# Altium PCB SVPX_FMC_6U_SOM.PcbDoc (part 3 of 9) (continued)
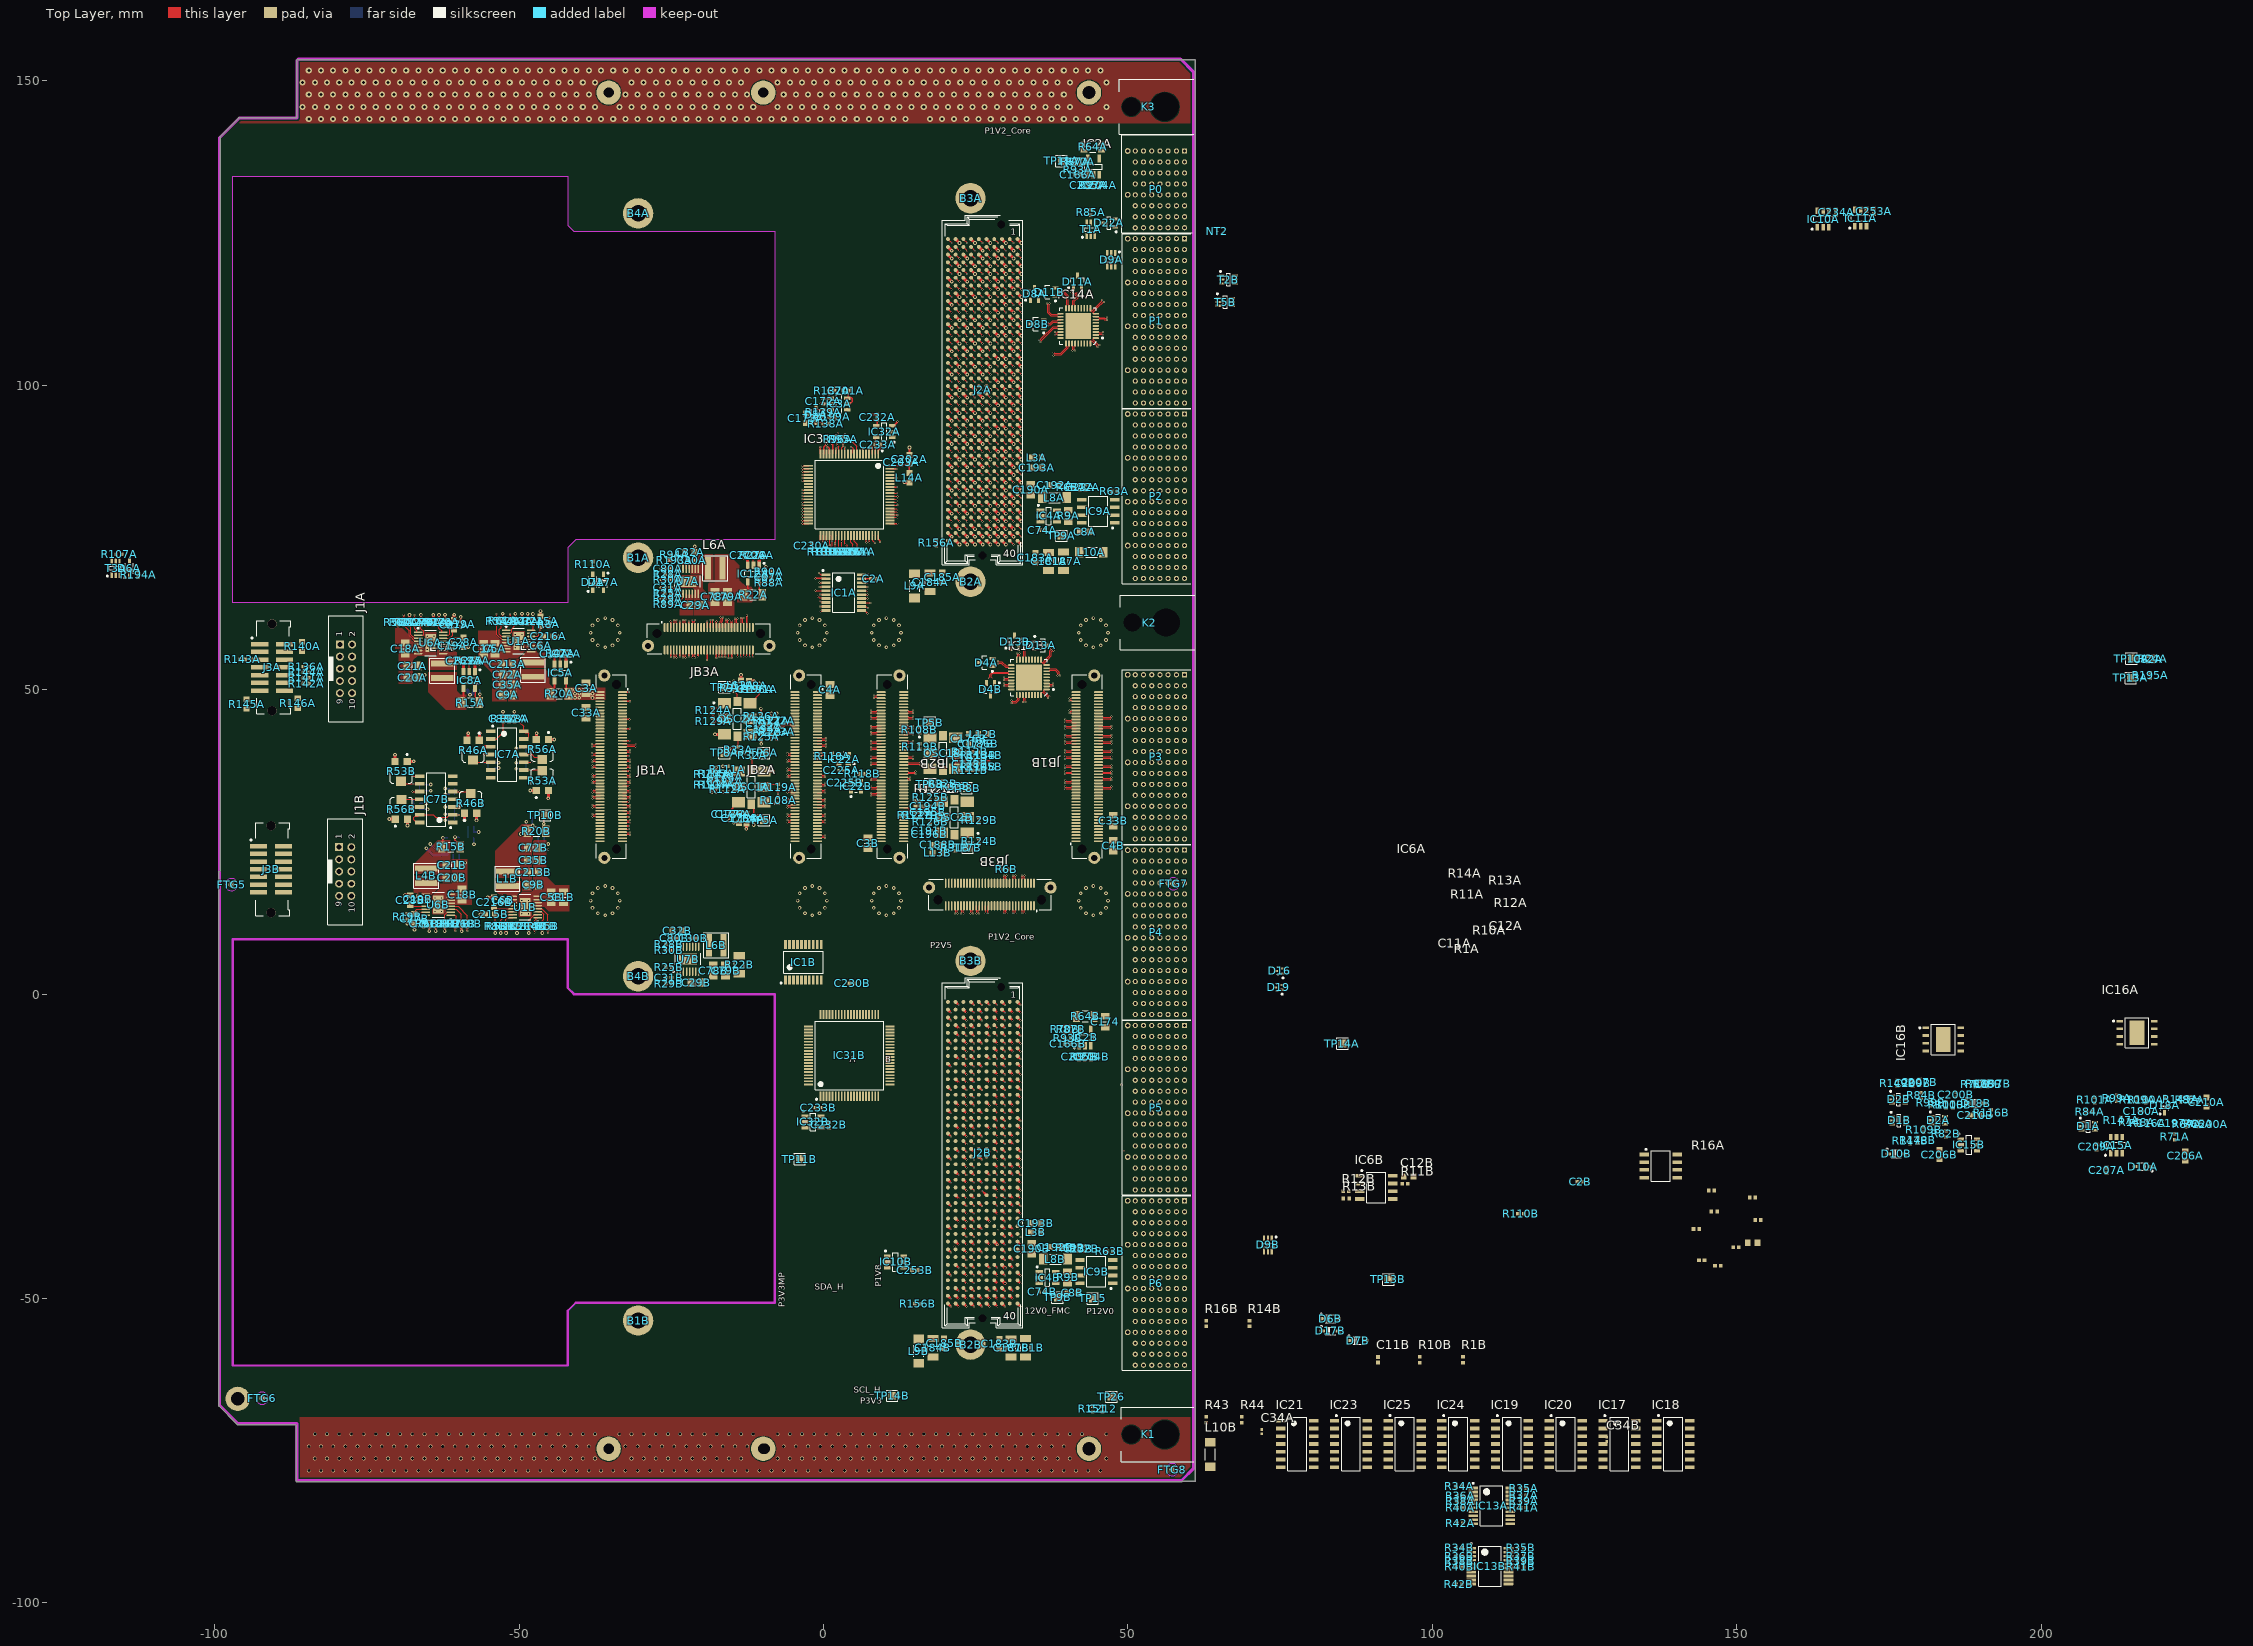
[diagram p0: Top Layer view]
## Part data (continued)
  C11A C11B C22A C22B C23A C23B C25A C25B C26A C26B C75A C75B C82A C82B C86A C86B C87A C87B C166A C166B: CreateDate=08/01/2016, LatestRevisionDate=08/01/2016
  C199A C199B C207A C207B: CreateDate=08.01.2016, LatestRevisionDate=08.01.2016
C24A C24B C31A C31B C214A C214B: library part CC0402_10NF_25V_10%_X7R, "Non-polarised capacitor", Case=0402, Manufacturer=GENERIC, Manufacturer1 ComponentHeight=0.55mm, Manufacturer1 Example=TDK, Manufacturer1 Part Number=C1005X7R1E103KT, Tolerance=±10%, Voltage=25V, Author="CERN DEM JLC", Component Type=Standard, CreateDate=25/10/2012, HelpURL=\\cern.ch\dfs\Applications\Altium\Datasheets\CC0402_X7R_TDK_C.pdf, LatestRevisionDate=25/10/2012, Manufacturer Part Number=CC0402_10NF_25V_10%_X7R, Mounted=Yes, Part Description="SMD Multilayer Chip Ceramic Capacitor", Part Number=CC0402_10NF_25V_10%_X7R, Pin Count=2, Sense=No, SMD=Yes, Socket=No, Status=Preferred, TC=X7R
C34A C34B C175A C175B C179A C179B C180A C180B C189A C189B C197A C197B C200A C200B C225A C225B: library part CC0201_100NF_6.3V_10%_X5R, "Non-polarised capacitor", Case=0201, Manufacturer=GENERIC, Manufacturer1 ComponentHeight=0.33mm, Manufacturer1 Example=AVX, Manufacturer1 Part Number=02016D104KAT2A, Tolerance=±10%, Voltage=6.3V, Author="CERN DEM JLC", Component Type=Standard, HelpURL=\\cern.ch\dfs\Applications\Altium\Datasheets\CC0201_X5R_AVX.pdf, Manufacturer Part Number=CC0201_100NF_6.3V_10%_X5R, Mounted=Yes, Part Description="SMD Multilayer Chip Ceramic Capacitor", Part Number=CC0201_100NF_6.3V_10%_X5R, Pin Count=2, SMD=Yes, Socket=No, Status="Not Recommended", TC=X5R
  C34A C34B C197A C197B C200A C200B C225A C225B: CreateDate=03/12/2007, LatestRevisionDate=03/12/2007, Sense=No
  C175A C175B: CreateDate=03.12.2007, LatestRevisionDate=03.12.2007, Sense=No
  C179A C179B C180A C180B C189A C189B: CreateDate=2007-12-03, LatestRevisionDate=2007-12-03, Table="Capacitors SMD"
C172A C172B C211 C212: library part CC0402_1NF_50V_10%_X7R, "Non-polarised capacitor", Case=0402, Manufacturer=GENERIC, Manufacturer1 ComponentHeight=0.55mm, Manufacturer1 Example=PHYCOMP, Manufacturer1 Part Number=223858715623, Tolerance=±10%, Voltage=50V, Author="CERN DEM JLC", Component Type=Standard, CreateDate=03.12.2007, HelpURL=\\cern.ch\dfs\Applications\Altium\Datasheets\CC0402_X7R_PHYCOMP.pdf, LatestRevisionDate=03.12.2007, Manufacturer Part Number=CC0402_1NF_50V_10%_X7R, Mounted=Yes, Part Description="SMD Multilayer Chip Ceramic Capacitor", Part Number=CC0402_1NF_50V_10%_X7R, Pin Count=2, Sense=No, SMD=Yes, Socket=No, Status="Not Recommended", TC=X7R
C173A C173B C202A C202B C206A C206B C210A C210B: library part CC0603_10UF_16V_20%_X5R, "Non-polarised capacitor", Case=0603, Manufacturer=GENERIC, Manufacturer1 ComponentHeight=0.8mm, Manufacturer1 Example=MURATA, Manufacturer1 Part Number=GRM188R61C106MA73D, Tolerance=±20%, Voltage=16V, Author="CERN DEM MR", Component Type=Standard, CreateDate=2016-03-02, HelpURL=\\cern.ch\dfs\Applications\Altium\Datasheets\CC0603_X5R_MURATA_GRM.pdf, LatestRevisionDate=2016-03-02, Manufacturer Part Number=CC0603_10UF_16V_20%_X5R, Mounted=Yes, Part Description="SMD Multilayer Chip Ceramic Capacitor", Part Number=CC0603_10UF_16V_20%_X5R, Pin Count=2, Sense=No, SMD=Yes, Socket=No, Status=None, TC=X5R
C174 C190A C190B: library part CC0805_10UF_16V_10%_X5R, "Non-polarised capacitor", Case=0805, Manufacturer=GENERIC, Manufacturer1 ComponentHeight=1.4mm, Manufacturer1 Example=KEMET, Manufacturer1 Part Number=C0805C106K4PAC, Tolerance=±10%, Voltage=16V, Author="CERN DEM JLC", Component Type=Standard, HelpURL=\\cern.ch\dfs\Applications\Altium\Datasheets\CC1206_X5R_KEMET.pdf, Manufacturer Part Number=CC0805_10UF_16V_10%_X5R, Mounted=Yes, Part Description="SMD Multilayer Chip Ceramic Capacitor", Part Number=CC0805_10UF_16V_10%_X5R, Pin Count=2, SMD=Yes, Socket=No, Status=Preferred, TC=X5R
  C174: CreateDate=03/12/2007, LatestRevisionDate=03/12/2007, Sense=No
  C190A C190B: CreateDate=2007-12-03, LatestRevisionDate=2007-12-03, Table="Capacitors SMD"
C176A C176B C188A C188B: library part CC0603_4.7UF_25V_10%_X5R, "Non-polarised capacitor", Case=0603, Manufacturer=GENERIC, Manufacturer1 ComponentHeight=0.95mm, Manufacturer1 Example=MURATA, Manufacturer1 Part Number=GRM188R61E475KE11D, Tolerance=±10%, Voltage=25V, Author="CERN DEM JLC", Component Type=Standard, CreateDate=10.11.2014, HelpURL=\\cern.ch\dfs\Applications\Altium\Datasheets\CC0603_MURATA_GRM188R61E475KE11D.pdf, LatestRevisionDate=10.11.2014, Manufacturer Part Number=CC0603_4.7UF_25V_10%_X5R, Mounted=Yes, Part Description="SMD Multilayer Chip Ceramic Capacitor", Part Number=CC0603_4.7UF_25V_10%_X5R, Pin Count=2, Sense=No, SMD=Yes, Socket=No, Status=None, TC=X5R
C177A C177B C186A C186B C191A C191B C196A C196B: library part CC0201_1NF_16V_10%_X5R, "Non-polarised capacitor", Case=0201, Manufacturer=GENERIC, Manufacturer1 ComponentHeight=0.33mm, Manufacturer1 Example=AVX, Manufacturer1 Part Number=0201YD102KAT2A, Tolerance=±10%, Voltage=16V, Author="CERN DEM JLC", Component Type=Standard, CreateDate=03.12.2007, HelpURL=\\cern.ch\dfs\Applications\Altium\Datasheets\CC0201_X5R_AVX.pdf, LatestRevisionDate=03.12.2007, Manufacturer Part Number=CC0201_1NF_16V_10%_X5R, Mounted=Yes, Part Description="SMD Multilayer Chip Ceramic Capacitor", Part Number=CC0201_1NF_16V_10%_X5R, Pin Count=2, Sense=No, SMD=Yes, Socket=No, Status="Not Recommended", TC=X5R
C178A C178B C182A C182B C194A C194B C195A C195B: library part CC0402_100NF_16V_10%_X5R, "Non-polarised capacitor", Case=0402, Manufacturer=GENERIC, Manufacturer1 ComponentHeight=0.55mm, Manufacturer1 Example=MURATA, Manufacturer1 Part Number=GRM155R61C104KA88D, Tolerance=±10%, Voltage=16V, Author="CERN DEM JLC", Component Type=Standard, CreateDate=10.12.2013, HelpURL=\\cern.ch\dfs\Applications\Altium\Datasheets\CC0402_X5R_MURATA_GRM.pdf, LatestRevisionDate=10.12.2013, Manufacturer Part Number=CC0402_100NF_16V_10%_X5R, Mounted=Yes, Part Description="SMD Multilayer Chip Ceramic Capacitor", Part Number=CC0402_100NF_16V_10%_X5R, Pin Count=2, Sense=No, SMD=Yes, Socket=No, Status=None, TC=X5R
C181A C181B C184A C184B C187A C187B: library part CC1206_22UF_10V_10%_X7R, "Non-polarised capacitor", Case=1206, Manufacturer=GENERIC, Manufacturer1 ComponentHeight=1.8mm, Manufacturer1 Example=MURATA, Manufacturer1 Part Number=GRM31CR71A226KE15L, Tolerance=±10%, Voltage=10V, Author="CERN DEM JLC", Component Type=Standard, CreateDate=2010-06-08, HelpURL=\\cern.ch\dfs\Applications\Altium\Datasheets\CC1206_X7R_MURATA_GRM-HI-CAP.pdf, LatestRevisionDate=2010-06-08, Manufacturer Part Number=CC1206_22UF_10V_10%_X7R, Mounted=Yes, Part Description="SMD Multilayer Chip Ceramic Capacitor", Part Number=CC1206_22UF_10V_10%_X7R, Pin Count=2, SMD=Yes, Socket=No, Status=Preferred, Table="Capacitors SMD", TC=X7R
D1A D1B D2A D2B D9A D9B: library part D_TVS_QSBT40-7-F, Bonding=No, Component Type=Standard, CreateDate=2018-01-01, Device=QSBT40-7-F, LatestRevisionDate=2018-01-01, Manufacturer Part Number=QSBT40-7-F, Mounted=Yes, Pin Count=6, PressFit=No, Sense=No, SMD=Yes, Socket=No
D4A D4B D8A D8B D11A D11B D13A D13B: library part CMP-1154-00018-1, "Dual Silicon Schottky Diode, 130 mA IF Max, SOT323, Green", Manufacturer=Infineon, ComponentLink1Description="Manufacturer URL", ComponentLink1URL=http://www.infineon.com/, ComponentLink2Description=Datasheet, ComponentLink2URL=http://www.infineon.com/dgdl/bat17series.pdf?folderId=db3a304314dca3890114ff6812070b44&fileId=db3a304314dca389011517d785d60d4e&location=en.Products.RF.RF_Mixer___Detector_Schottky_Diodes.DATASHEET.bat17series.pdf, ComponentLink3Description="Package Specification", ComponentLink3URL=http://www.infineon.com/dgdl/SOT323-Package_Overview.pdf?folderId=db3a30431936bc4b0119533e1dcb3c92&fileId=db3a30431936bc4b011953495f283cb1, Configuration=Dual, CT (typ)="0.55 pF", DatasheetVersion=Jun-2011, Green=yes, Group="RF Mixer", Halogen-free=yes, IF (max)="130 mA", Mounting Technology="Surface Mount", PackageDescription="3-Pin Small Outline Transistor Package, 1.25 x 2 mm Body, 0.65 mm Pitch", PackageReference=SOT323, PartNumber=BAT17-05W, VF (typ)="0.34 V", VR (max)="4 V"
D5A D5B D6A D6B D7A D7B D10A D10B D17A D17B D18A D18B: "Schottky Diode", Case=SOD323, Manufacturer=INFINEON, Power=750mA, Voltage=40V, Author="CERN DEM JLC", Bonding=No, ComponentHeight=1.1mm, Component Type=Standard, Device=BAT165, HelpURL=\\cern.ch\dfs\Applications\Altium\Datasheets\BAT165.pdf, Manufacturer Part Number=BAT165, Mounted=Yes, Part Description="Medium Power AF Schottky Diode", Part Number=BAT165, Pin Count=2, PressFit=No, Sense=No, SMD=Yes, Socket=No
  D5A D5B D10A D10B D18A D18B: CreateDate=12.11.2014, LatestRevisionDate=12.11.2014, PackageDescription="Small Outline Diode (SOD-323), 1.70mm W X 1.25mm L X 1.10mm H body,  IPC Medium Density"
  D6A D6B D7A D7B D17A D17B: CreateDate=2014-11-12, LatestRevisionDate=2014-11-12, PackageDescription="Small Outline Diode Flat Lead (SOD-323), 1.70mm W X 1.25mm L X 1.10mm H body,  IPC Medium Density"
D12A D12B D14A D14B D15A D15B D16 D19 D20A D20B D21: library part ESD7C3.3DT5G, "Dual TVS diode, Vrwm=3.3V", Case=SOT-723, Manufacturer="ON Semiconductor", Bonding=No, ComponentHeigth=0.5mm, Component Type=Standard, CreateDate=2018-06-18, Device="TVS diode", HelpURL=https://www.onsemi.com/pub/Collateral/ESD7C3.3D-D.PDF, LatestRevisionDate=2018-06-18, Manufacturer Part Number=ESD7C3.3DT5G, Mounted=Yes, PackageDescription=SOT-723, Part Description="TVS diode", Part Number=ESD7C3.3DT5G, Pin Count=3, PressFit=No, Sense=No, SMD=Yes, Socket=No
D22A D22B D23A D23B: library part BAT1705WH, Manufacturer Part Number=BAT1705WH6327, Bonding=No, Component Type=Standard, CreateDate=2018-01-01, LatestRevisionDate=2018-01-01, Mounted=Yes, Part Number=BAT1705WH6327, PressFit=No, Sense=No, SMD=Yes, Socket=No
FTG1 FTG2 FTG3 FTG4 FTG5 FTG6 FTG7 FTG8: library part FIDUCIAL_TARGET_C100-200, "Fiducial Target", Author="CERN DEM JLC", ComponentHeight=0mm, Component Type="Standard (No BOM)", CreateDate=09.02.2010, Family=Fiducial, HelpURL=Undefined, LatestRevisionDate=04.04.2012, Mounted=No, PackageDescription="Round Fiducial Target, Top Layer, 1.0mm, Top Solder 2.0mm, Keepout =2.0mm", Part Description="Round Fiducial Target, Top Layer, 1.0mm, Top Solder 2.0mm, Keepout =2.0mm", Part Number=FIDUCIAL_TARGET_C100-200, Pin Count=1, Sense=No, SMD=Yes, Socket=No, Status=None
IC1A IC1B: "8-Bit Bidirectional Voltage-Level Translator with Automatic Direction Sensing and ±15kV ESD Protection", Case=TSSOP20, Manufacturer="TEXAS INSTRUMENTS", Author="CERN DEM MR", Bonding=No, ComponentHeight=1.2mm, Component Type=Standard, CreateDate=01.04.2016, Device=TXB0108PW, HelpURL=\\cern.ch\dfs\Applications\Altium\Datasheets\TXB0108PW.pdf, LatestRevisionDate=01.04.2016, Manufacturer Part Number=TXB0108PW, Mounted=Yes, PackageDescription="SOP, 20-Leads, Body 6.5x4.4mm, Pitch 0.65mm, IPC Medium Density", Part Description="8-Bit Bidirectional Voltage-Level Translator with Automatic Direction Sensing and ±15kV ESD Protection", Part Number=TXB0108PW, Pin Count=20, PressFit=No, Sense=No, SMD=Yes, Socket=No
IC2A IC2B: "High side current sense amplifier (x50)", Case=SOT23-5, Manufacturer=Maxim, Bonding=No, Component Type=Standard, CreateDate=2018-01-01, Device=MAX4372FEUK, LatestRevisionDate=2018-01-01, Manufacturer Part Number=MAX4372FEUK, Mounted=Yes, PackageDescription=SOT23-5, Part Description="High side current sense amplifier (x50)", Part Number=MAX4372FEUK, Pin Count=5, PressFit=No, Sense=No, SMD=Yes, Socket=No
IC3A IC3B IC15A IC15B: "Low Quiescent Current, Programmable-Delay Supervisory Circuit", Case=SOT23-6, Manufacturer="TEXAS INSTRUMENTS", Author="CERN DEM JLC", Bonding=No, ComponentHeight=1.45mm, Component Type=Standard, Mounted=Yes, PackageDescription="SOT23, 6-Leads, Body 1.6x3.0mm, Pitch 0.95mm, IPC Medium Density", Pin Count=6, PressFit=No, Sense=No, SMD=Yes, Socket=No
  IC3A IC3B: CreateDate=05.11.2013, Device=TPS3808G33DBVT, HelpURL=\\cern.ch\dfs\Applications\Altium\Datasheets\TPS3808G33DBVT.pdf, LatestRevisionDate=05.11.2013, Manufacturer Part Number=TPS3808G33DBVT, Part Description="3.3V, Low Quiescent Current, Programmable-Delay Supervisory Circuit", Part Number=TPS3808G33DBVT
  IC15A IC15B: CreateDate=02.03.2015, Device=TPS3808G50DBVT, HelpURL=\\cern.ch\dfs\Applications\Altium\Datasheets\TPS3808G50DBVT.pdf, LatestRevisionDate=02.03.2015, Manufacturer Part Number=TPS3808G50DBVT, Part Description="5V, Low Quiescent Current, Programmable-Delay Supervisory Circuit", Part Number=TPS3808G50DBVT
IC4A IC4B IC5A IC5B IC8A IC8B IC12A IC12B: library part PM_MAX4372FEUK, Case=SOT23-5, Manufacturer=Maxim, Bonding=No, Component Type=Standard, CreateDate=2018-01-01, Device=MAX4372FEUK, LatestRevisionDate=2018-01-01, Manufacturer Part Number=MAX4372FEUK, Mounted=Yes, PackageDescription=SOT23-5, Part Description="High side current sense amplifier (x50)", Part Number=MAX4372FEUK, Pin Count=5, PressFit=No, Sense=No, SMD=Yes, Socket=No
IC6A IC6B IC9A IC9B: "Adjustable Over-current Protection Load Switch", Case=SO-8, Manufacturer="ON Semiconductor", Bonding=No, ComponentHeigth=1.75, Component Type=Standard, CreateDate=2018-05-24, Device=FPF2701MX, HelpURL=http://www.onsemi.com/pub/Collateral/FPF2702-D.pdf, LatestRevisionDate=2018-05-24, Manufacturer Part Number=FPF2701MX, Mounted=Yes, Part Description="Adjustable Over-current Protection Load Switch", Part Number=FPF2701MX, Pin Count=8, PressFit=No, Sense=No, SMD=Yes, Socket=No
IC7A IC7B: "Quad Operational Amplifier", Case=SOIC14, Manufacturer="TEXAS INSTRUMENTS", Author="CERN DEM JLC", Bonding=No, ComponentHeight=1.75mm, Component Type=Standard, CreateDate=09/03/2011, Device=LM339AD, HelpURL=\\cern.ch\dfs\Applications\Altium\Datasheets\LM339AD.pdf, LatestRevisionDate=09/03/2011, Manufacturer Part Number=LM339AD, Mounted=Yes, PackageDescription="SOIC 14, Pitch 1.27mm - Body 4x8.75mm, IPC Medium Density", Part Description="Quad Differential Comparator", Part Number=LM339AD, Pin Count=14, PressFit=No, Sense=No, SMD=Yes, Socket=No
IC10A IC10B IC11A IC11B: "Digital Temperature Sensor with I2C Interface", Case=SOT23-6, Manufacturer="TEXAS INSTRUMENTS", Author="CERN DEM JLC", Bonding=No, ComponentHeight=1.45mm, Component Type=Standard, CreateDate=29.10.2012, Device=TMP100NA/250, HelpURL=\\cern.ch\dfs\Applications\Altium\Datasheets\TMP100NA-250.pdf, LatestRevisionDate=29.10.2012, Manufacturer Part Number=TMP100NA/250, Mounted=Yes, PackageDescription="SOT23, 6-Leads, Body 1.6x3.0mm, Pitch 0.95mm, IPC Medium Density", Part Description="-55°C to +125°C, ±3.0°C Accuracy, Digital Temperature Sensor with I2C Interface", Part Number=TMP100NA/250, Pin Count=6, PressFit=No, Sense=No, SMD=Yes, Socket=No
IC13A IC13B: library part CMP-2000-04956-1, "Bidirectional Voltage-Level Translator for Open-Drain and Push-Pull Application, 8 bit, 1.2 to 3.6 V, -40 to 85 degC, 20-Pin TSSOP, Green (RoHS & no Sb/Br), Tape and Reel", Logic Case Style=TSSOP, Manufacturer="Texas Instruments", Operating Temperature Max=85degC, Operating Temperature Min=-40degC, Output Current=620µA, Supply Voltage Max=5.5V, Supply Voltage Min=1.2V, Datasheet URL=https://datasheet.ciiva.com/14287/txs0108e-14287280.pdf, Datasheet Version="Rev. B, 09/2008", Logic Type=VoltageLevelTranslator, Manufacturer URL=http://www.ti.com/, MSL=MSL1-Unlimited, No. of Inputs=8, No. of Pins=20, Packaging=CutTape, Propagation Delay=4.8ns, SVHC=NoSVHC(16-Jun-2014)
IC14A IC14B: "IC SWITCH HIGH BW LVDS 36TQFN", Package="QFN-36 Maxim", Availability=Unavailable, MF="Maxim Integrated", MP=MAX14979EETX+, Price=None, SnapEDA_Link=https://www.snapeda.com/parts/MAX14979EETX%2B/Maxim%20Integrated/view-part/?ref=snap
IC16A IC16B: "4Mb Serial 3V F-RAM Memory", Case=SON8, Manufacturer=CYPRESS, Author="CERN DEM MR", Bonding=No, ComponentHeight=0.8mm, Component Type=Standard, CreateDate=14.03.2017, Device=CY15B104Q-LHXI, HelpURL=\\cern.ch\dfs\Applications\Altium\Datasheets\CY15B104Q-LHXI.pdf, LatestRevisionDate=14.03.2017, Manufacturer Part Number=CY15B104Q-LHXI, Mounted=Yes, PackageDescription="SON, 1.27mm pitch, 8 pin, 6.00mm W X 5.00mm L X 0.80mm H body (w/thermal tab  2.40 X 4.10 mm), IPC Medium Density", Part Description="4Mb Serial 3V F-RAM Memory", Part Number=CY15B104Q-LHXI, Pin Count=9, PressFit=No, Sense=No, SMD=Yes, Socket=No
IC17 IC18 IC19 IC20 IC21 IC23 IC24 IC25: Case=SOIC14, Manufacturer="TEXAS INSTRUMENTS", Author="CERN DEM MR", Bonding=No, ComponentHeight=1.75mm, Component Type=Standard, CreateDate=21.01.2016, Device=CD4066BM, HelpURL=\\cern.ch\dfs\Applications\Altium\Datasheets\CD4066BM.pdf, LatestRevisionDate=21.01.2016, Manufacturer Part Number=CD4066BM, Mounted=Yes, PackageDescription="SOIC 14, Pitch 1.27mm - Body 4x8.75mm, IPC Medium Density", Part Description="CMOS Quad Bilateral Switch", Part Number=CD4066BM, Pin Count=14, PressFit=No, Sense=No, SMD=Yes, Socket=No
IC22A IC22B: library part OSC_DSC1001DL5-100.0000, "MEMS 100MHz oscillator", Manufacturer=Micrel, Bonding=No, Component Type=Standard, CreateDate=2018-01-01, Device=DSC1001DL5-100.0000, LatestRevisionDate=2018-01-01, Manufacturer Part Number=DSC1001DL5-100.0000, Mounted=Yes, PackageDescription="MICREL SMD Oscillator, QFN, 4 pins, 2.5mm x 2.0mm", Part Description="MEMS Oscillator 100MHz", Part Number=DSC1001DL5-100.0000, Pin Count=4, PressFit=No, Sense=No, SMD=Yes, Socket=No
IC31A IC31B: Case=LQFP80, Manufacturer=TI, Bonding=No, ComponentHeigth=2mm, Component Type=Standard, CreateDate=2018-01-01, Device=MSP430FR5994IPN, LatestRevisionDate=2018-01-01, Manufacturer Part Number=MSP430FR5994IPN, Mounted=Yes, PackageDescription=LQFP80, Part Description="FRAM microcontroller", Part Number=MSP430FR5994IPN, Pin Count=80, PressFit=No, Sense=No, SMD=Yes, Socket=No
IC32A IC32B: "Precision Micropower Low Dropout Voltage Reference", Case=SOT23-5, Manufacturer="TEXAS INSTRUMENTS", Author="CERN DEM JMW", Bonding=No, ComponentHeight=1.45mm, Component Type=Standard, CreateDate=2016-08-31, Device=LM4120AIM5-2.0/NOPB, HelpURL=\\cern.ch\dfs\Applications\Altium\Datasheets\LM4120AIM5-2.0-NOPB.pdf, LatestRevisionDate=2016-08-31, Manufacturer Part Number=LM4120AIM5-2.0/NOPB, Mounted=Yes, PackageDescription="SOT, 0.95mm Pitch; 5 Pin, 1.60mm W X 2.90mm L X 1.45mm H Body, IPC Medium Density", Part Description="2.048V Precision Micropower Low Dropout Voltage Reference", Part Number=LM4120AIM5-2.0/NOPB, Pin Count=5, PressFit=No, Sense=No, SMD=Yes, Socket=No
J1A J1B: "Male Box Header WR-BHD with long lever, THT, Vertical, pitch 2.00 mm, 10 pins", Contact Resistance="20 mOhm", Operating Temperature="-40 to 125 degC", Withstanding Voltage="500 VAC", Working Voltage="250 VAC", ComponentLink1Description=Manufacturer, ComponentLink1URL=http://www.we-online.de, ComponentLink2Description=Datasheet, ComponentLink2URL=https://katalog.we-online.de/em/datasheet/6250xx21621.pdf, Gender=Male, Mounting Technology=THT, Orientation=Vertical, Packaging=Tray, Part Number=62501021621, Pin Number=10, Pitch="2.00 mm", Published Date="August 2018", Publisher="Wurth Elektronik"
J2A J2B: library part SAMTEC_ASP-134486-01, "Connector VITA 57, 400 Female contacts in 10 row abcdefghj", Manufacturer=SAMTEC, Manufacturer Part Number=ASP-134486-01, Author="CERN DEM JLC", ComponentHeight=6.55mm, Component Type=Standard, CreateDate=30/04/2009, Family="VITA 57", HelpURL=\\cern.ch\dfs\Applications\Altium\Datasheets\SAMTEC_ASP-134486-01.pdf, LatestRevisionDate=17/08/2009, Mounted=Yes, Part Description="400 contacts (10 rows abcdefghj) Surface Mount Female Connector, VITA 57", Part Number=SAMTEC_ASP-134486-01, Pin Count=400, SMD=Yes, Socket=No, Status=None, Table=SAMTEC
J3A J3B: "Header, 14 contacts, Pitch 1,27mm, Double Row, SMD", Manufacturer=Samtec, Bonding=No, Case=SHF-107-01-L-D-SM, ComponentHeigth=6.1mm, Component Type=Standard, CreateDate=2018-12-07, Device=SHF-107-01-L-D-SM, HelpURL=http://suddendocs.samtec.com/prints/shf-1xx-01-x-d-xx-xx-footprint.pdf, LatestRevisionDate=2018-12-07, Manufacturer Part Number=SHF-107-01-L-D-SM, Mounted=Yes, Part Description="Horizontal header, 14 contacts, Pitch 2.54mm, Double Row, SMD", Part Number=SHF-107-01-L-D-SM, Pin Count=14, PressFit=No, Sense=No, SMD=No, Socket=No
JB1A JB1B: library part 25285, "TE0720-JB1", AN=25285, Mixed=SMT, Trenz-Article-Number=23838, Trenz-Stock=Yes
JB2A JB2B: library part 25286, "TE0720-JB2", AN=25286, Mixed=SMT, Trenz-Article-Number=23838, Trenz-Stock=Yes
JB3A JB3B: library part 25287, "TE0720-JB3", AN=25287, Mixed=SMT, Trenz-Article-Number=24903, Trenz-Stock=Yes
K1 K2 K3: library part 2000713-6, "VPX VITA 46 Alignment key Ruggedized, Right Angle, 1Key, Key orientation 0", Manufacturer=TE, Bonding=No, ComponentHeigth=9.7mm, Component Type=Standard, CreateDate=2018-01-01, Device=2000713-6, Family="VPX Connector", LatestRevisionDate=2018-01-01, Manufacturer Part Number=2000713-6, Mounted=Yes, Part Description="VPX VITA 46 Alignment key Ruggedized, Right Angle, 1Key, Key orientation 0", Part Number=2000713-6, PressFit=No, Sense=No, SMD=Yes, Socket=No
L1A L1B: library part 78438356022, "WE-MAIA SMD Power Inductor, size 4020, 4.7 A, 2.2 uH", DC Resistance max.="35 mOhm", Inductance="2.2 uH", Operating Temperature="-40 to 125 degC", Rated Current="4.7 A", ComponentLink1Description=Manufacturer, ComponentLink1URL=http://www.we-online.de, ComponentLink2Description=Datasheet, ComponentLink2URL=http://katalog.we-online.de/pbs/datasheet/78438356022.pdf, Part Number=78438356022, Published Date="Nov. 2017", Publisher="Wurth Elektronik", Size=4020
L3A L3B L14A L14B: library part IND0603_MURATA_BLM18HE102SN1, "Inductor", Case=0603, Manufacturer=MURATA, Manufacturer Part Number=BLM18HE102SN1, Power=600mA, Resistance=0.35R, Tolerance=±25%, Author="CERN DEM JLC", ComponentHeight=0.95mm, Component Type=Standard, CreateDate=09/12/2013, HelpURL=\\cern.ch\dfs\Applications\Altium\Datasheets\IND0603_MURATA_BLM18H.pdf, LatestRevisionDate=09/12/2013, Mounted=Yes, Part Description="SMD EMIFIL Suppression Chip Ferrite Bead", Part Number=IND0603_MURATA_BLM18HE102SN1, Pin Count=2, Sense=No, SMD=Yes, Socket=No, Status=None
L4A L4B L6A L6B: library part 78438356033, "WE-MAIA SMD Power Inductor, size 4020, 3.6 A, 3.3 uH", DC Resistance max.="48 mOhm", Inductance="3.3 uH", Operating Temperature="-40 to 125 degC", Rated Current="3.6 A", ComponentLink1Description=Manufacturer, ComponentLink1URL=http://www.we-online.de, ComponentLink2Description=Datasheet, ComponentLink2URL=http://katalog.we-online.de/pbs/datasheet/78438356033.pdf, Part Number=78438356033, Published Date="Nov. 2017", Publisher="Wurth Elektronik", Size=4020
L8A L8B L9A L9B L10A L10B: library part IND1806_MURATA_BLM41PG600SN1L, "Inductor", Case=1806, Manufacturer=MURATA, Manufacturer Part Number=BLM41PG600SN1L, Power=6A, Resistance=0.01R, Author="CERN DEM JLC", ComponentHeight=1.8mm, Component Type=Standard, CreateDate=02/12/2009, HelpURL=\\cern.ch\dfs\Applications\Altium\Datasheets\IND1806_MURATA_BLM41P.pdf, LatestRevisionDate=02/12/2009, Mounted=Yes, Part Description="SMD EMI Suppression Chip Ferrite Bead (BLM41P Series)", Part Number=IND1806_MURATA_BLM41PG600SN1L, Pin Count=2, Sense=No, SMD=Yes, Socket=No, Status=None
L12A L12B L13A L13B: library part IND0603_MURATA_BLM18PG121SN1D, Case=0603, Manufacturer=MURATA, Manufacturer Part Number=BLM18PG121SN1D, Power=2A, Resistance=0.05R, Author="CERN DEM BC", ComponentHeight=0.95mm, Component Type=Standard, CreateDate=27.07.2015, HelpURL=\\cern.ch\dfs\Applications\Altium\Datasheets\IND0603_MURATA_BLM18P.pdf, LatestRevisionDate=25.10.2018, Mounted=Yes, Part Description="SMD EMIFIL Chip Ferrite Bead", Part Number=IND0603_MURATA_BLM18PG121SN1D, Pin Count=2, Sense=No, SMD=Yes, Socket=No, Status=None
OSC1A OSC1B OSC2A OSC2B: library part 570ACA001527DGR, "Ultra Low Jitter I2C Programmable XO (95 fs), 0.2 to 250MHz", Case=OSC_SILICON-LAB_SI570, Manufacturer=Silabs, Part Name=OSC_10-945MHZ_SILICON-LAB_Si570ACA001527DGR, Part Number=OSC_10_945M_SILICON-LAB_570ACA001527DGR, Tolerance=20ppm, Voltage=3V3, Cell Name=OSC_SILICON-LAB_SI570, Device=570ACA001527DGR, Manufacturer Part Number=570ACA001527DGR, Part Description="10 MHZ TO 945 MHZ I2C PROGRAMMABLE XO/VCXO"
P0: library part 2102772-1, "Ruggedized Board-to-Board Connector, Right Angle, 7-Row, Pitch 1.8mm, 56-Position", Manufacturer=TE, Bonding=No, ComponentHeigth=14.7mm, Component Type=Standard, CreateDate=2018-01-01, Device=2102772-1, Family="VPX Connector", LatestRevisionDate=2018-01-01, Manufacturer Part Number=2102772-1, Mounted=Yes, Part Description="Ruggedized Board-to-Board Connector, Right Angle, 7-Row, Pitch 1.8mm, 56-Position", Part Number=2102772-1, PressFit=No, Sense=No, SMD=Yes, Socket=No
P1 P2 P3 P4 P5 P6: library part 2102771-1, "Ruggedized Board-to-Board Connector, Right Angle, 7-Row, Pitch 1.8mm, 112-Position", Manufacturer=TE, Bonding=No, ComponentHeigth=14.7mm, Component Type=Standard, CreateDate=2018-01-01, Family="VPX Connector", LatestRevisionDate=2018-01-01, Manufacturer Part Number=2102771-1, Mounted=Yes, PackageDescription=2102771-1, Part Description="Ruggedized Board-to-Board Connector, Right Angle, 7-Row, Pitch 1.8mm, 112-Position", Part Number=2102771-1, PressFit=No, Sense=No, SMD=Yes, Socket=No
R1A R1B R65A R65B R87A R87B R110A R110B R138A R138B R147A R147B R149A R149B R156A R156B R160A R160B R161A R161B: library part R0402_100K_1%_0.0625W_100PPM, "Resistor - 1%", Case=0402, Manufacturer=GENERIC, Manufacturer1 ComponentHeight=0.4mm, Manufacturer1 Example="YAGEO PHYCOMP", Manufacturer1 Part Number=232270671004L, Power=0.0625W, Tolerance=±1%, Author="CERN DEM JLC", Component Type=Standard, HelpURL=\\cern.ch\dfs\Applications\Altium\Datasheets\R0402_Phycomp_RC0402.pdf, Manufacturer Part Number=R0402_100K_1%_0.0625W_100PPM, Mounted=Yes, Part Description="General Purpose Thick Film Chip Resistor", Part Number=R0402_100K_1%_0.0625W_100PPM, Pin Count=2, PressFit=No, Sense=No, SMD=Yes, Socket=No, Status="Not Recommended", TC=±100ppm/°C
  R1A R1B R65A R65B: CreateDate=03/12/2007, LatestRevisionDate=17/10/2012
  R87A R87B R110A R110B R138A R138B R147A R147B R149A R149B R156A R156B R160A R160B R161A R161B: CreateDate=03.12.2007, LatestRevisionDate=17.10.2012
R2A R2B: library part R0402_910k_1%_0.0625W_100PPM, "Resistor - 1%", Case=0402, Manufacturer=GENERIC, Manufacturer1 ComponentHeight=0.4mm, Manufacturer1 Example="YAGEO PHYCOMP", Manufacturer1 Part Number=232270679104L, Manufacturer Part Number=R0402_910K_1%_0.0625W_100PPM, Power=0.0625W, Tolerance=±1%, Author="CERN DEM JLC", Component Type=Standard, CreateDate=03.12.2007, HelpURL=\\cern.ch\dfs\Applications\Altium\Datasheets\R0402_Phycomp_RC0402.pdf, LatestRevisionDate=17.10.2012, Mounted=Yes, Part Description="General Purpose Thick Film Chip Resistor", Part Number=R0402_910K_1%_0.0625W_100PPM, Pin Count=2, PressFit=No, Sense=No, SMD=Yes, Socket=No, Status="Not Recommended", TC=±100ppm/°C
R3A R3B R48A R48B R52A R52B R54A R54B R55A R55B R57A R57B: library part R0402_NO-VALUE, "Resistor", Case=0402, Author="CERN DEM JLC", Component Type=Standard, CreateDate=03/12/2007, HelpURL=Undefined, LatestRevisionDate=13/03/2008, Manufacturer=Undefined, Manufacturer1 ComponentHeight=Undefined, Manufacturer1 Example=Undefined, Manufacturer1 Part Number=Undefined, Manufacturer Part Number=R0402_NO-VALUE, Mounted=No, Part Description="Reserved Footprint For a 0402 (1005) Chip Resistor", Part Number=R0402_NO-VALUE, Pin Count=2, PressFit=No, Sense=No, SMD=Yes, Socket=No, Status=None
R4A R4B R5A R5B R8A R8B R17A R17B R19A R19B R25A R25B R60A R60B R89A R89B R108A R108B R119A R119B R124A R124B R129A R129B: library part R0402_0R_JUMPER, "Resistor", Case=0402, Manufacturer=GENERIC, Manufacturer1 ComponentHeight=0.4mm, Manufacturer1 Example="YAGEO PHYCOMP", Manufacturer1 Part Number=232270591001L, Author="CERN DEM JLC", Component Type=Standard, HelpURL=\\cern.ch\dfs\Applications\Altium\Datasheets\R0402_Phycomp_RC0402.pdf, Manufacturer Part Number=R0402_0R_JUMPER, Mounted=Yes, Part Description="1A (0.05R Max DC Resistance) Zero Ohm Jumper", Part Number=R0402_0R_JUMPER, Pin Count=2, PressFit=No, Sense=No, SMD=Yes, Socket=No, Status="Not Recommended"
  R4A R4B R5A R5B R8A R8B R17A R17B R19A R19B R25A R25B R60A R60B R89A R89B: CreateDate=03/12/2007, LatestRevisionDate=17/10/2012
  R108A R108B R119A R119B R124A R124B R129A R129B: CreateDate=03.12.2007, LatestRevisionDate=17.10.2012
R6A R6B R31A R31B R32A R32B R33A R33B: library part R0402_2K2_1%_0.0625W_100PPM, "Resistor - 1%", Case=0402, Manufacturer=GENERIC, Manufacturer1 ComponentHeight=0.4mm, Manufacturer1 Example="YAGEO PHYCOMP", Manufacturer1 Part Number=232270672202L, Power=0.0625W, Tolerance=±1%, Author="CERN DEM JLC", Component Type=Standard, CreateDate=03.12.2007, HelpURL=\\cern.ch\dfs\Applications\Altium\Datasheets\R0402_Phycomp_RC0402.pdf, LatestRevisionDate=17.10.2012, Manufacturer Part Number=R0402_2K2_1%_0.0625W_100PPM, Mounted=Yes, Part Description="General Purpose Thick Film Chip Resistor", Part Number=R0402_2K2_1%_0.0625W_100PPM, Pin Count=2, PressFit=No, Sense=No, SMD=Yes, Socket=No, Status="Not Recommended", TC=±100ppm/°C